# Altium PCB LimeSDR-Micro_1v0.PcbDoc (part 6 of 8) (continued)
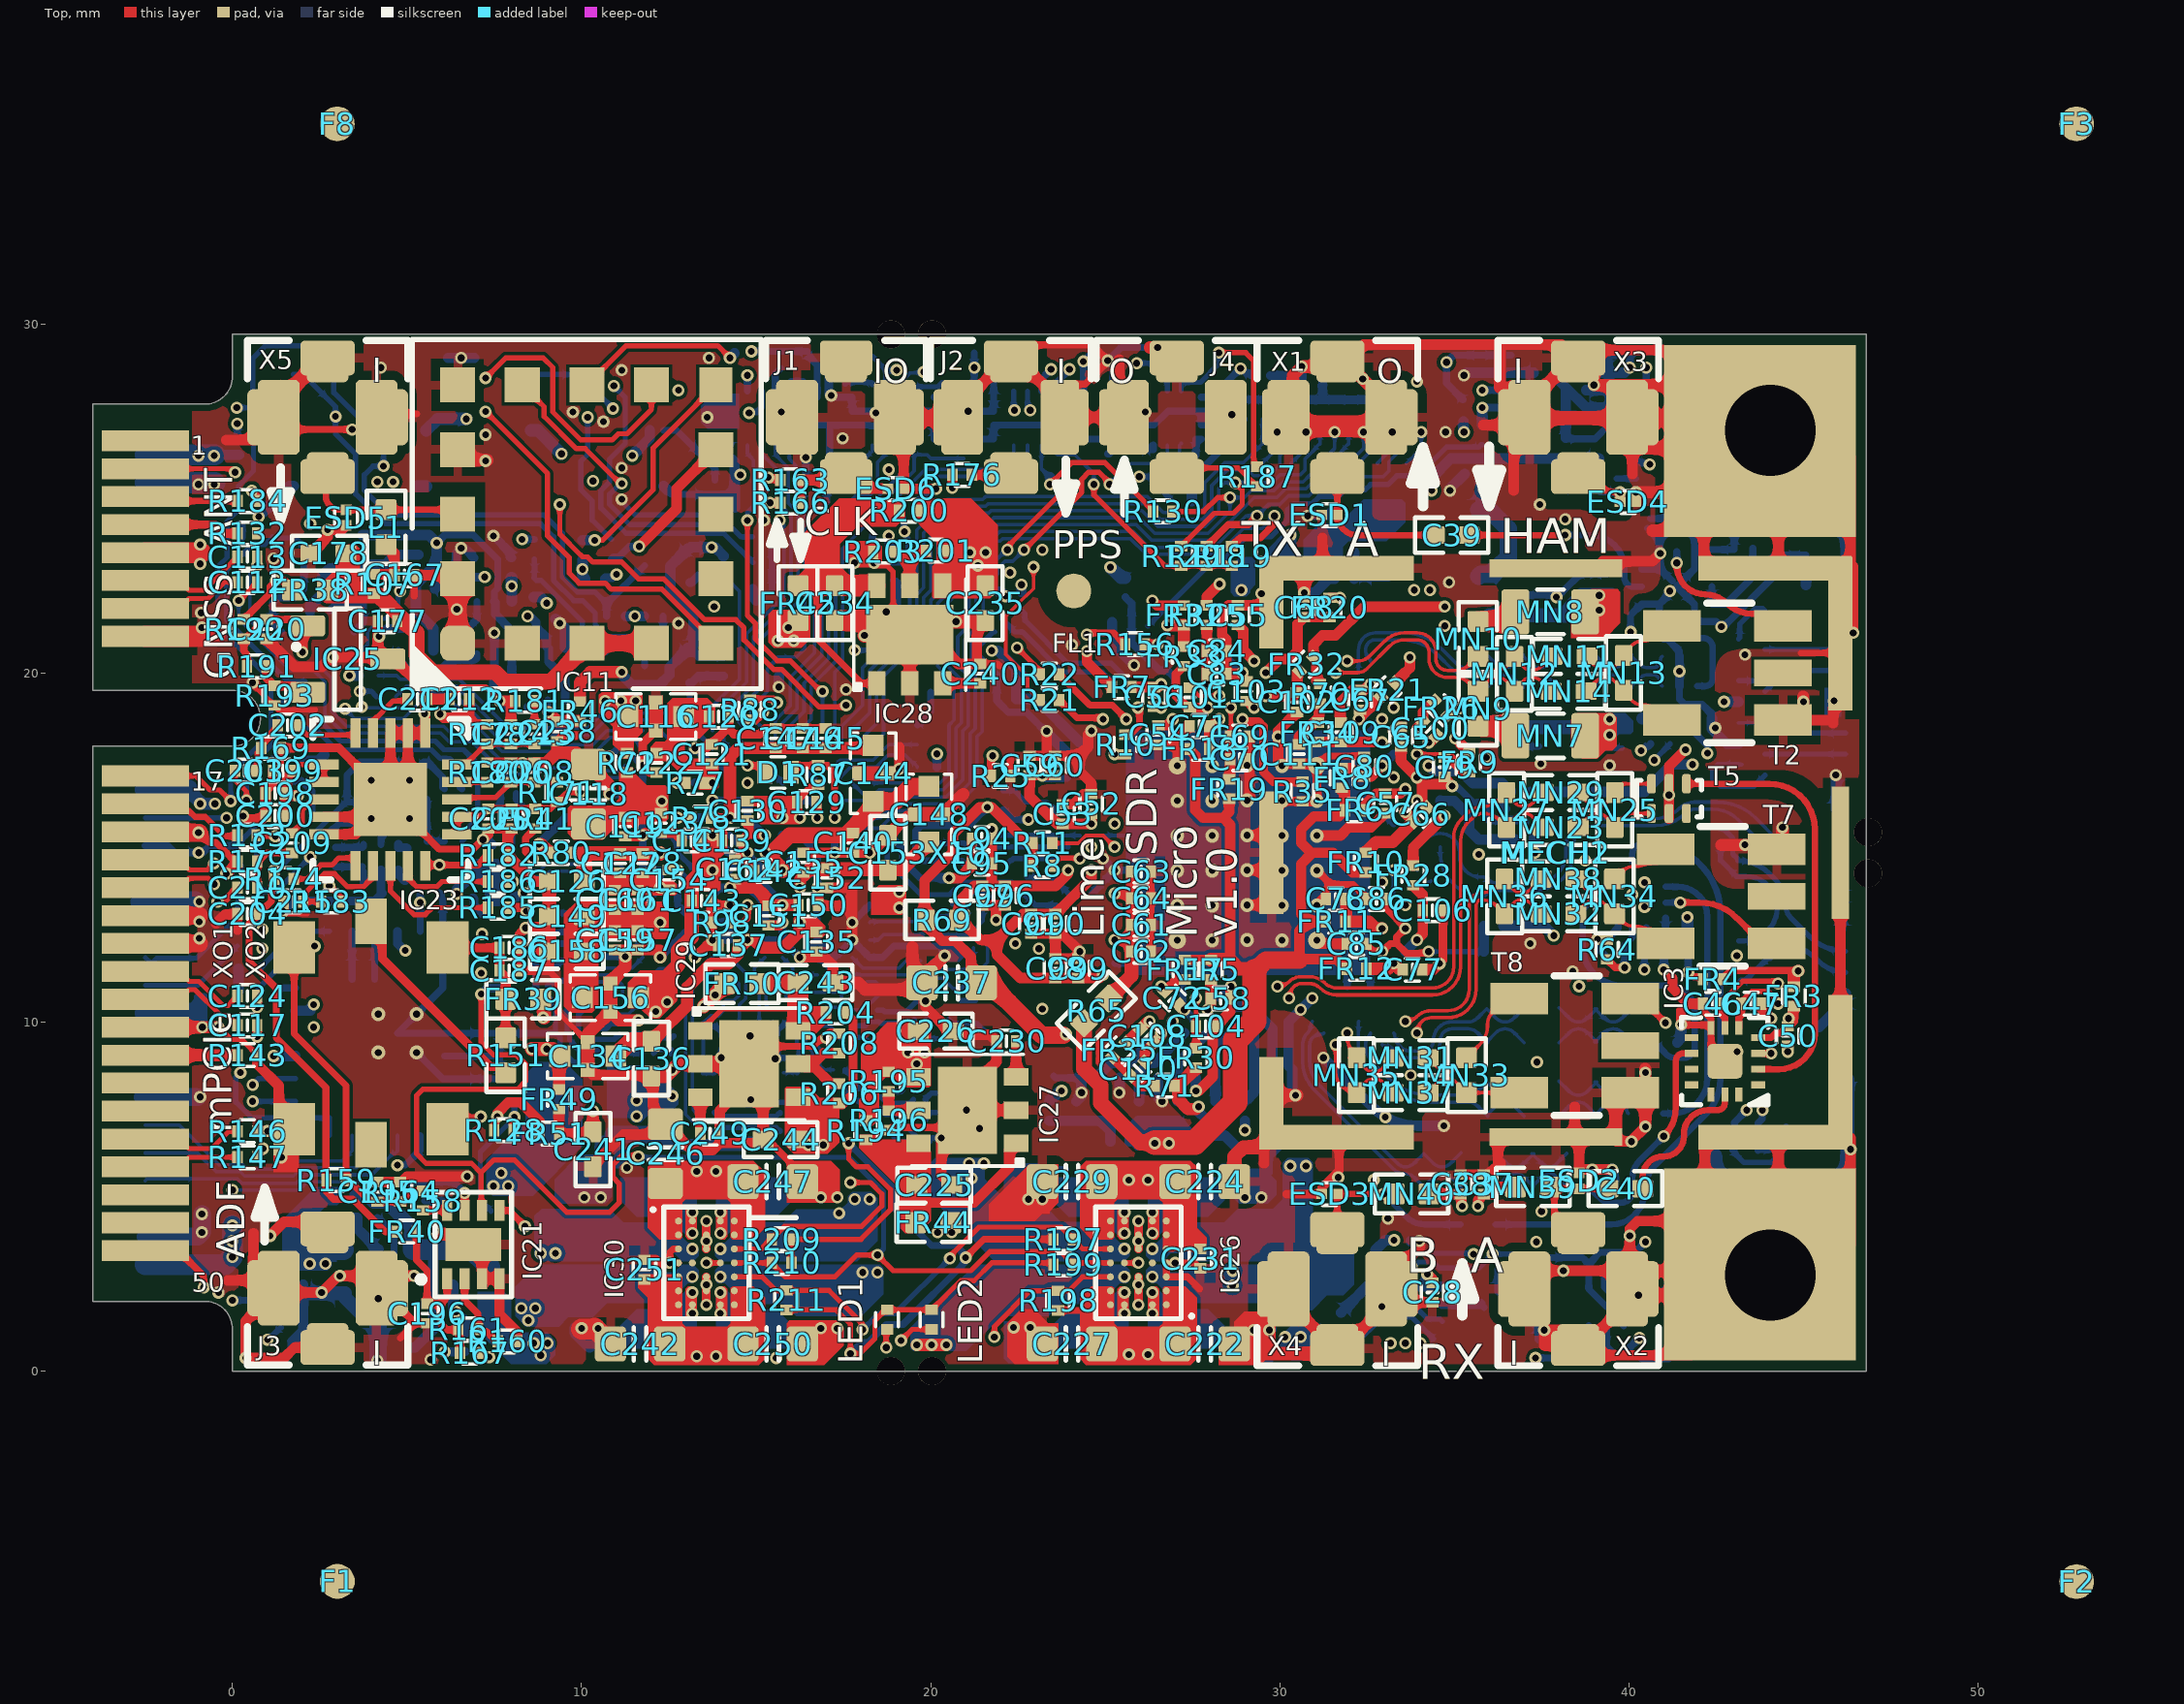
[diagram p0: Top view]
## Nets (pads, with @x,y where several pads share a name; then routed paths per layer and width w, separated by ;. In a path a pad name is that pad's centre, name@x,y a point inside that pad or via, vN(x,y) a via of type N, cw(c..) or ccw(c..) an arc to the next point about the centre after c; other vN are vias at no path point) (continued)
  Top w0.25: XO1.6@3.964,12.885 4.289,12.56 4.289,11.822 7.387,8.725 7.646,8.725 R151.1@7.823,8.548
NetR176_1: R176.1 R177.1 | length 8.4
  Top w0.25: v1(20.62,25.305) R176.1@20.62,25.675 R176.1@20.635,25.66
  L6 w0.1: v2(15,22.075) 15.4,22.475 18.825,22.475 20.62,24.27 v1(20.62,25.305) v1@20.62,25.405
  Bottom w0.3: R177.1@14.9,22.4 14.9,22.189 15,22.089 v2(15,22.075)
PCIE_PER0_N: C115.1 X10.23 | length 10.4
  Top w0.14: X10.23@-2.5,14.65 -2.325,14.475 -1.35,14.475 -1.231,14.355 -0.72,14.355 v1(-0.525,14.55)
  L4 w0.1: v1(-0.525,14.55) -0.525,15.2 -0.375,15.35 0.511,15.35 1.008,15.847 1.706,15.847 2.225,16.365 2.225,17.308 2.7,17.783 2.7,19.275 v1(3.35,19.925)
  Bottom w0.3: v1(3.35,19.925) C115.1@3.62,19.925
PCIE_PER0_P: C114.1 X10.25 | length 10.9
  Top w0.14: X10.25@-2.5,13.85 -2.325,14.025 -1.35,14.025 -1.26,14.115 -0.69,14.115 v1(-0.525,13.95)
  L4 w0.1: v1(-0.525,13.95) -0.5,13.925 -0.04,13.925 0.275,14.24 0.275,14.831 1.091,15.647 1.814,15.647 2.425,16.258 2.425,17.225 2.9,17.7 2.9,18.84 2.9,19.11 3.265,19.475 v1(3.65,19.475)
  Bottom w0.15: v1(3.65,19.475) 3.97,19.475 C114.1@4.12,19.325
PCIE_PERST#: R89.1 R134.1 R202.1 X10.22 | length 19.3
  L6 w0.1: v1(-0.97,14.85) -0.97,13.955 -1.475,13.45 -1.475,3.501 -1.106,3.132 -0.782,3.132 0,2.35 v1(0,2.026)
  Bottom w0.15: R134.1@0.157,15.112 0.87,15.825 R89.1@0.99,15.825
  Bottom w0.2: X10.22@-2.5,15.05 -1.845,15.05 -1.645,14.85 v1(-0.97,14.85) -0.845,14.85 -0.645,15.05 0.119,15.05 R134.1@0.169,15.1 ; v1(0,2.026) 1.179,2.026 R202.1@1.4,1.805
PCIE_PET0_N: C124.1 X10.31 | length 3.2
  Top w0.14: X10.31@-2.5,11.45 -2.325,11.275 -1.35,11.275 -1.245,11.17 -0.97,11.17 -0.275,10.475 -0.127,10.475 C124.1@0.145,10.747
PCIE_PET0_P: C117.1 X10.33 | length 3.2
  Top w0.14: X10.33@-2.5,10.65 -2.325,10.825 -1.35,10.825 -1.245,10.93 -1.08,10.93 -0.345,10.195 -0.147,10.195 C117.1@0.145,9.903
PCIE_PPS_IN: R170.1 X10.3 | length 23.4
  Top w0.14: X10.3@-2.5,25.85 -0.025,25.85 v1(0.075,25.75)
  L4 w0.1: v1(0.075,25.75) 2.45,28.125 9.675,28.125 9.775,28.225 v1(10.925,28.225)
  Bottom w0.15: v1(10.925,28.225) 11.25,27.9 11.25,26.575 10.8,26.125 10.8,25.475 10.55,25.225 10.55,24.725 11.275,24 14.075,24 R170.1@14.913,23.163
PCIE_PPS_OUT: R184.1 X10.5 | length 2.7
  Top w0.18: X10.5@-2.5,25.05 -2.375,24.925 R184.1@0.145,24.925
PCIE_REF_CLK_N: C113.1 X10.11 | length 3.2
  Top w0.14: X10.11@-2.5,22.65 -2.325,22.475 -1.35,22.475 -1.245,22.37 -0.81,22.37 0.04,23.22 0.065,23.22 0.145,23.3 C113.1@0.145,23.325
PCIE_REF_CLK_P: C112.1 X10.13 | length 3
  Top w0.14: X10.13@-2.5,21.85 -2.325,22.025 -1.35,22.025 -1.245,22.13 -0.695,22.13 -0.225,22.6 C112.1@0.145,22.6
PCIE_RESERVED: IC15.4 R147.1 | length 9.8
  Top w0.14: R147.1@0.705,6.128 0.875,6.298 v1(0.875,6.375)
  L4 w0.1: v1(0.875,6.375) 1.175,6.375 1.525,6.725 1.525,10.792 2.058,11.325 3.033,11.325 3.758,12.05 v1(4.95,12.05)
  Bottom w0.25: IC15.4@4.725,12.6 4.725,12.25 v1@4.925,12.05
PCIE_RX1_N: X10.47
PCIE_RX1_P: X10.49
PCIE_TX1_N: X10.39
PCIE_TX1_P: X10.41
PCIE_W_DISABLE2#: IC8.9 R150.1 X10.51 | length 51.8
  Top w0.2: X10.51@-2.5,3.45 -1.55,3.45 -0.825,2.725 v1(-0.825,2.4)
  L4 w0.1: v1(-0.825,2.4) -2.675,4.25 -2.675,16.758 -1.758,17.675 0.5,17.675 1.146,18.321 1.146,19.629 0.675,20.1 -1.308,20.1 -2.175,20.967 -2.175,25.975 -1.008,27.142 v1(0.134,27.142) 2.068,29.075 5.975,29.075 6.35,28.7 6.8,28.7 7.1,29 12.9,29 13.575,28.325 14.55,28.325 v1(14.75,28.525)
  Bottom w0.2: v1@0.134,27.167 v1(0.134,27.142) 0.134,26.858 R150.1@0.183,26.81 ; IC8.9@14.75,28.075 v1@14.75,28.55
PCIE_W_DISABLE2#_LS: IC8.4 R73.1 | length 1.3
  Bottom w0.1: IC8.4@14.75,26.525 14.75,26.275 14.925,26.1 R73.1@14.925,25.33
R1_N: C124.2 IC6.R2 | length 19.7
  Top w0.25: v1(0.705,10.422) C124.2@0.705,10.747
  L4 w0.1: v1(0.705,10.422) 0.325,10.802 0.325,13.367 0.85,13.892 0.85,14.465 1.06,14.675 1.408,14.675 2.825,16.092 2.825,16.975 3.7,17.85 v1(3.7,19.025)
  Bottom w0.1: v1@3.7,19 4.9,19 5.325,19.425 6.324,19.425 7.799,17.95 10.325,17.95 10.725,18.35 IC6.R2@11.751,18.35
R1_P: C117.2 IC6.P2 | length 21.2
  Top w0.25: v1(0.705,9.578) C117.2@0.705,9.903
  L4 w0.1: v1(0.705,9.578) 0.125,10.158 0.125,13.45 0.65,13.975 0.65,14.547 0.978,14.875 1.325,14.875 2.625,16.175 2.625,17.058 3.225,17.658 v1(3.225,18.975)
  Bottom w0.1: v1(3.225,18.975) 3.5,18.7 4.9,18.7 5.425,19.225 6.241,19.225 7.716,17.75 10.408,17.75 10.808,18.15 11.451,18.15 IC6.P2@11.751,17.85
RX1_H: IC3.2 T5.1 | length 12.5
  Top w0.18: T5.1@41.65,16.825 44.025,16.825 cw(c44.025,15.525) 45.325,15.525 45.325,9.668 cw(c44.307,9.668) 44.307,8.65 IC3.2@43.702,8.65
RX1_H_A_N: IC1.AJ15 MN27.1 MN29.2 | length 12.8
  Top w0.1: v1(29.932,11.016) cw(c30.015,10.934) 30.015,11.05 ccw(c30.015,11.396) 30.26,11.151 cw(c30.618,10.793) 30.618,11.3 30.849,11.3 cw(c30.849,10.676) 31.291,11.117 ; 31.291,11.116 ccw(c31.633,11.458) 31.633,10.975 34.375,10.975 ccw(c34.375,11.581) 34.981,11.581 34.981,15.28 cw(c35.728,15.28) 35.2,15.808 35.38,15.988 ; 35.436,16.044 35.38,15.988 ; 35.834,16.175 ccw(c35.834,15.531) 35.38,15.988 ; 35.835,16.175 ccw(c35.835,16.81) 36.284,16.361 MN27.1@36.473,16.55 ; MN27.1@36.498,16.575 MN27.1@36.473,16.55 ; MN29.2@37.548,16.575 37.255,16.282 cw(c36.997,16.54) 36.998,16.175 cw(c36.999,16.54) 36.741,16.282 MN27.1@36.473,16.55
RX1_H_A_P: IC1.AK14 MN23.2 MN27.2 | length 12.6
  Top w0.1: v1(30.265,10.683) ccw(c30.183,10.765) 30.3,10.765 30.3,10.773 cw(c30.626,10.773) 30.395,11.004 cw(c30.626,10.773) 30.626,11.1 30.848,11.1 cw(c30.848,10.673) 31.151,10.974 ccw(c31.632,11.456) 31.632,10.775 34.375,10.775 ccw(c34.375,11.581) 35.181,11.581 35.181,15.197 cw(c35.928,15.197) 35.4,15.725 35.519,15.844 cw(c35.835,15.528) 35.835,15.975 cw(c35.835,15.34) 36.284,15.789 MN27.2@36.473,15.6 ; MN27.2@36.498,15.575 MN27.2@36.473,15.6 ; MN23.2@37.548,15.575 37.255,15.868 ccw(c36.997,15.61) 36.998,15.975 ccw(c36.999,15.61) 36.741,15.868 MN27.2@36.473,15.6
RX1_H_B_N: MN25.1 MN29.1 T5.3 | length 2.6
  Top w0.1: MN29.1@38.548,16.575 38.841,16.282 ccw(c39.099,16.54) 39.099,16.175 ; 39.097,16.175 ccw(c39.097,16.54) 39.355,16.282 MN25.1@39.623,16.55 ; MN25.1@39.598,16.575 cw(c39.848,16.575) 39.848,16.825 T5.3@40.65,16.825
RX1_H_B_P: MN23.1 MN25.2 T5.4 | length 2.5
  Top w0.1: MN23.1@38.548,15.575 38.841,15.868 cw(c39.099,15.61) 39.098,15.975 cw(c39.097,15.61) 39.355,15.868 MN25.2@39.601,15.622 ; MN25.2@39.598,15.575 cw(c39.998,15.575) MN25.2@39.601,15.622 ; MN25.2@39.623,15.6 MN25.2@39.601,15.622 ; MN25.2@39.726,15.622 cw(c40.123,15.575) 40.123,15.975 T5.4@40.65,15.975
RX1_L: IC3.9 T3.2 | length 6.3
  Top w0.18: v1(41,6.725) ccw(c40.155,7.57) 41.35,7.57 41.35,8.9 cw(c41.55,8.9) 41.55,9.1 IC3.9@41.797,9.1
  Bottom w0.18: T3.2@38.875,5.26 39.211,4.924 ccw(c39.45,5.163) 39.45,4.825 39.775,4.825 ccw(c39.775,5.15) 40.1,5.15 40.1,5.513 cw(c40.854,5.513) 40.321,6.046 v1(41,6.725)
RX1_L_A_N: IC1.AM12 MN19.1 MN21.2 | length 7.7
  Bottom w0.1: IC1.AM12@30.932,10.017 ccw(c31.014,9.935) 30.897,9.935 cw(c30.551,9.935) 30.796,9.69 ccw(c31.137,9.349) 30.655,9.349 30.655,8.868 ccw(c31.817,8.868) 30.995,8.047 ; 31.021,8.021 33.101,5.941 33.243,5.8 ccw(c33.595,6.152) 33.595,5.653 33.596,5.653 cw(c33.596,5.289) 33.854,5.547 MN19.1@34.122,5.279 ; MN19.1@34.147,5.253 MN19.1@34.122,5.279 ; MN21.2@35.197,5.253 34.904,5.547 ccw(c34.647,5.289) 34.647,5.653 ccw(c34.648,5.289) 34.391,5.547 MN19.1@34.122,5.279
RX1_L_A_P: IC1.AN11 MN16.2 MN19.2 | length 7.3
  Bottom w0.1: IC1.AN11@31.265,9.684 cw(c31.182,9.766) 31.182,9.65 31.172,9.65 ccw(c31.172,9.328) 30.944,9.556 ccw(c31.16,9.34) 30.855,9.34 30.855,8.905 ccw(c31.905,8.905) 31.162,8.163 31.221,8.104 33.301,6.024 33.383,5.942 ccw(c33.596,6.155) 33.596,5.854 ccw(c33.596,6.218) 33.854,5.96 34.122,6.228 34.391,5.96 ccw(c34.648,6.218) 34.647,5.854 ccw(c34.647,6.218) 34.904,5.96 MN16.2@35.197,6.253
RX1_L_B_N: MN17.1 MN21.1 T3.3 | length 2.7
  Bottom w0.1: MN21.1@36.197,5.253 36.491,5.547 cw(c36.748,5.289) 36.748,5.653 ; 36.747,5.653 cw(c36.747,5.289) 37.004,5.547 MN17.1@37.272,5.279 ; MN17.1@37.223,5.279 37.491,5.547 cw(c37.748,5.289) 37.748,5.653 cw(c37.748,5.436) 37.902,5.59 T3.3@38.225,5.267
RX1_L_B_P: MN16.1 MN17.2 T3.4 | length 2.7
  Bottom w0.1: MN16.1@36.197,6.253 36.491,5.96 ccw(c36.748,6.218) 36.747,5.854 ccw(c36.747,6.218) 37.004,5.96 MN17.2@37.272,6.228 ; MN17.2@37.223,6.228 37.247,6.204 37.491,5.96 ccw(c37.748,6.218) 37.748,5.854 ccw(c37.748,6.071) 37.902,5.917 T3.4@38.225,6.24
RX1_W: IC3.3 T8.1 | length 5
  Top w0.18: T8.1@40.04,10.67 T8.1@40.305,10.67 ; T8.1@40.33,10.695 v1(41.05,9.975) ; IC3.3@43.702,9.1 v1(44.075,9.1)
  L6 w0.1: v1@41.025,9.95 ccw(c41.085,9.95) 41.043,9.907 41.25,9.7 ccw(c41.612,10.062) 41.612,9.55 43.039,9.55 cw(c43.039,9.1) 43.357,9.418 43.392,9.383 ccw(c44.075,10.066) v1(44.075,9.1)
RX1_W_A_N: IC1.AP10 MN35.1 MN37.2 | length 3
  Top w0.1: v1(31.598,9.351) 31.598,8.577 ccw(c32.175,8.577) 32.175,8 32.443,8.268 cw(c32.701,8.01) 32.701,8.375 ; 32.699,8.375 cw(c32.699,8.01) 32.957,8.268 MN37.2@33.25,7.975
RX1_W_A_P: IC1.AN9 MN31.2 MN35.2 | length 2.4
  Top w0.1: v1(31.931,9.684) 31.931,9.626 ccw(c32.851,9.626) MN35.2@32.2,8.975 MN35.2@31.995,8.975 ; MN35.2@32.175,8.95 32.443,8.682 ccw(c32.701,8.94) 32.701,8.575 ; 32.699,8.575 ccw(c32.699,8.94) 32.957,8.682 MN31.2@33.25,8.975
RX1_W_B_N: MN33.1 MN37.1 T8.4 | length 2.9
  Top w0.1: MN37.1@34.25,7.975 34.543,8.268 cw(c34.801,8.01) 34.801,8.375 ; 34.799,8.375 cw(c34.799,8.01) 35.057,8.268 MN33.1@35.325,8 ; MN33.1@35.35,7.975 T8.4@36.86,7.975
RX1_W_B_P: MN31.1 MN33.2 T8.6 | length 3.8
  Top w0.1: MN31.1@34.25,8.975 34.543,8.682 ccw(c34.801,8.94) 34.801,8.575 ; 34.799,8.575 ccw(c34.799,8.94) 35.057,8.682 MN33.2@35.325,8.95 ; MN33.2@35.35,8.975 35.72,9.345 ccw(c35.165,9.9) 35.95,9.9 ; 35.95,9.934 cw(c36.411,9.934) 36.085,10.26 36.085,10.27 36.227,10.412 36.237,10.412 cw(c36.86,9.789) T8.6@36.86,10.67
RX2_H: IC4.2 T6.1 | length 8.2
  Bottom w0.18: T6.1@40.983,7.38 41.244,7.38 ccw(c41.244,8.386) 42.25,8.386 42.25,13.029 ccw(c41.404,13.029) 41.404,13.875 IC4.2@41.053,13.875
RX2_H_A_N: IC1.AM8 MN28.1 MN30.2 | length 6.7
  Bottom w0.1: IC1.AM8@32.264,10.017 32.256,10.009 32.256,9.343 ccw(c33.175,9.343) 32.525,8.692 32.961,8.256 ccw(c34.293,9.589) 34.293,7.705 35.07,7.705 35.401,7.705 cw(c35.401,7.34) 35.659,7.598 MN28.1@35.927,7.33 ; MN28.1@35.952,7.305 MN28.1@35.927,7.33 ; MN30.2@37.002,7.305 36.709,7.598 ccw(c36.451,7.34) 36.452,7.704 ccw(c36.453,7.34) 36.196,7.598 MN28.1@35.927,7.33
RX2_H_A_P: IC1.AN7 MN24.2 MN28.2 | length 6
  Bottom w0.1: IC1.AN7@32.597,9.684 cw(c32.494,9.684) 32.566,9.611 ccw(c32.834,9.344) 32.456,9.344 ccw(c33.178,9.344) 32.667,8.833 33.1,8.4 ccw(c34.296,9.596) 34.296,7.905 35.07,7.905 ; 35.073,7.905 35.401,7.905 ccw(c35.401,8.269) 35.659,8.011 35.927,8.28 36.196,8.011 ccw(c36.453,8.269) 36.452,7.905 ccw(c36.451,8.269) 36.709,8.011 MN24.2@37.002,8.305
RX2_H_B_N: MN26.1 MN30.1 T6.3 | length 2.7
  Bottom w0.1: MN30.1@38.002,7.305 38.296,7.598 cw(c38.553,7.34) 38.553,7.705 ; 38.551,7.705 cw(c38.551,7.34) 38.809,7.598 MN26.1@39.052,7.355 ; MN26.1@39.027,7.33 MN26.1@39.052,7.355 ; MN26.1@39.077,7.33 MN26.1@39.052,7.355 ; T6.3@39.983,7.38 cw(c40.103,7.5) 39.933,7.5 ccw(c39.728,7.5) 39.728,7.705 39.553,7.705 ccw(c39.553,7.34) 39.296,7.598 MN26.1@39.052,7.355
RX2_H_B_P: MN24.1 MN26.2 T6.4 | length 2.7
  Bottom w0.1: MN24.1@38.002,8.305 38.296,8.011 ccw(c38.553,8.269) 38.553,7.905 ; 38.551,7.905 ccw(c38.551,8.269) 38.809,8.011 MN26.2@39.077,8.28 ; MN26.2@39.027,8.28 39.296,8.011 ccw(c39.553,8.269) 39.553,7.905 39.728,7.905 ccw(c39.728,8.109) 39.933,8.109 cw(c40.103,8.109) T6.4@39.983,8.23
RX2_L: IC4.9 T4.2 | length 8.4
  Bottom w0.18: IC4.9@39.148,13.425 39,13.425 ccw(c39,13.1) 38.778,13.337 ccw(c39,13.1) 38.675,13.1 38.675,12.175 ccw(c39.8,12.175) 39.8,11.05 41.129,11.05 cw(c41.129,10.295) 41.885,10.295 41.885,9.28 cw(c41.585,9.28) 41.585,8.98 41.31,8.98 cw(c41.31,9.317) 41.071,9.079 T4.2@40.735,9.415
RX2_L_A_N: IC1.AP6 MN20.1 MN22.2 | length 5.1
  Bottom w0.1: IC1.AP6@32.93,9.351 ccw(c33.012,9.433) 33.012,9.317 cw(c33.012,8.971) 33.256,9.216 ; 33.257,9.216 33.336,9.136 ccw(c33.724,9.524) 33.724,8.975 34.1,8.975 ccw(c34.1,9.475) 34.6,9.475 cw(c34.93,9.475) 34.93,9.805 35.401,9.805 cw(c35.401,9.44) 35.659,9.698 MN20.1@35.927,9.43 ; MN20.1@35.952,9.405 MN20.1@35.927,9.43 ; MN22.2@37.002,9.405 36.709,9.698 ccw(c36.451,9.44) 36.452,9.805 ccw(c36.453,9.44) 36.196,9.698 MN20.1@35.927,9.43
RX2_L_A_P: IC1.AN5 MN15.2 MN20.2 | length 4.9
  Bottom w0.1: IC1.AN5@33.263,9.684 cw(c33.18,9.602) 33.297,9.602 ccw(c33.643,9.602) 33.398,9.357 33.477,9.277 ccw(c33.725,9.525) 33.725,9.175 34.1,9.175 ccw(c34.1,9.475) 34.4,9.475 cw(c34.93,9.475) 34.93,10.005 35.401,10.005 ccw(c35.401,10.369) 35.659,10.111 35.927,10.38 36.196,10.111 ccw(c36.453,10.369) 36.452,10.005 ccw(c36.451,10.369) 36.709,10.111 MN15.2@37.002,10.405
RX2_L_B_N: MN18.1 MN22.1 T4.3 | length 2.7
  Bottom w0.1: MN22.1@38.002,9.405 38.296,9.698 cw(c38.553,9.44) 38.552,9.805 cw(c38.552,9.44) 38.809,9.698 MN18.1@39.052,9.455 ; MN18.1@39.027,9.43 MN18.1@39.052,9.455 ; MN18.1@39.077,9.43 MN18.1@39.052,9.455 ; T4.3@40.085,9.415 39.794,9.705 ccw(c39.553,9.464) 39.553,9.805 ccw(c39.553,9.44) 39.296,9.698 MN18.1@39.052,9.455
RX2_L_B_P: MN15.1 MN18.2 T4.4 | length 2.7
  Bottom w0.1: MN15.1@38.002,10.405 38.296,10.111 ccw(c38.553,10.369) 38.552,10.005 ccw(c38.552,10.369) 38.809,10.111 MN18.2@39.052,10.354 ; MN18.2@39.027,10.38 MN18.2@39.052,10.354 ; MN18.2@39.077,10.38 MN18.2@39.052,10.354 ; T4.4@40.085,10.395 39.794,10.104 cw(c39.553,10.345) 39.553,10.005 cw(c39.553,10.369) 39.296,10.111 MN18.2@39.052,10.354
RX2_W: IC4.3 T7.3 | length 3.5
  Top w0.18: v1(41.475,13.425) 42.014,13.425 cw(c42.014,11.889) 43.1,12.975 43.553,12.522 ccw(c44.197,13.165) T7.3@44.197,12.255
  Bottom w0.18: IC4.3@41.053,13.425 v1(41.475,13.425)
RX2_W_A_N: IC1.AM4 MN36.1 MN38.2 | length 7.4
  Top w0.1: v1(33.596,10.017) cw(c33.678,9.935) 33.678,10.051 ccw(c33.678,10.397) 33.923,10.152 ; 33.923,10.153 cw(c34.338,9.738) 34.338,10.325 34.819,10.325 ccw(c34.819,10.931) 35.425,10.931 35.425,13.35 cw(c35.775,13.35) 35.775,13.7 ccw(c35.775,14.335) 36.224,13.886 MN36.1@36.413,14.075 ; MN36.1@36.438,14.1 MN36.1@36.413,14.075 ; MN38.2@37.488,14.1 37.195,13.807 cw(c36.937,14.065) 36.938,13.7 cw(c36.939,14.065) 36.681,13.807 MN36.1@36.413,14.075
RX2_W_A_P: IC1.AN3 MN32.2 MN36.2 | length 7.2
  Top w0.1: v1(33.929,9.684) ccw(c33.846,9.766) 33.963,9.766 cw(c34.309,9.766) 34.064,10.011 cw(c34.339,9.736) 34.339,10.125 34.819,10.125 ccw(c34.819,10.931) 35.625,10.931 35.625,13.35 cw(c35.775,13.35) 35.775,13.5 cw(c35.775,12.865) 36.224,13.314 MN36.2@36.413,13.125 ; MN36.2@36.438,13.1 MN36.2@36.413,13.125 ; MN32.2@37.488,13.1 37.195,13.393 ccw(c36.937,13.135) 36.938,13.5 ccw(c36.939,13.135) 36.681,13.393 MN36.2@36.413,13.125
RX2_W_B_N: MN34.1 MN38.1 T7.6 | length 3.1
  Top w0.1: MN38.1@38.488,14.1 38.781,13.807 ccw(c39.039,14.065) 39.039,13.7 ; 39.037,13.7 ccw(c39.037,14.065) 39.295,13.807 MN34.1@39.563,14.075 ; MN34.1@39.588,14.1 39.806,14.318 cw(c40.125,13.998) 40.125,14.45 ccw(c40.125,15.483) 40.856,14.753 T7.6@41.048,14.945
RX2_W_B_P: MN32.1 MN34.2 T7.4 | length 2.8
  Top w0.1: MN32.1@38.488,13.1 38.781,13.393 cw(c39.039,13.135) 39.039,13.5 ; 39.037,13.5 cw(c39.037,13.135) 39.295,13.393 MN34.2@39.563,13.125 ; MN34.2@39.806,12.882 ccw(c40.125,13.202) 40.125,12.75 cw(c40.125,11.717) 40.856,12.447 T7.4@41.048,12.255
RX_HAM: C44.1 ESD4.1 MN41.1 X3.1 | length 3.4
  Top w0.18: X3.1@38.55,25.725 38.64,25.635 ccw(c39.75,26.744) v1(39.75,25.175)
  Top w0.3: ESD4.1@39.75,24.9 v1(39.75,25.175)
  Bottom w0.18: C44.1@37.95,25.275 39.075,25.275 MN41.1@39.175,25.175 ; MN41.1@39.225,25.175 v1(39.75,25.175)
RX_SW2: IC15.25 R60.2 | length 75.8
  L4 w0.1: v1(2.325,9.85) 2.775,10.3 3.683,10.3 4.133,10.75 5.417,10.75 6.317,9.85 7.658,9.85 8.325,10.517 8.325,11.375 8.825,11.875 8.825,13.775 8.1,14.5 8.1,15.758 6.65,17.208 6.65,19.975 4.475,22.15 4.475,23.775 5.325,24.625 8.567,24.625 8.892,24.3 9.975,24.3 10.125,24.45 11.367,24.45 13.067,26.15 15.55,26.15 16,25.7 16,23.775 15.1,22.875 15.1,20.75 15.375,20.475 16.286,20.475 18.7,22.889 18.7,23.5 18.45,23.75 18.45,24.425 19.975,25.95 26.775,25.95 28.15,24.575 28.81,24.575 29.085,24.85 31.575,24.85 31.8,24.625 35.7,24.625 37.325,23 39.225,23 39.6,22.625 39.6,21.125 40.35,20.375 v1(40.35,17.775)
  Bottom w0.2: v1(40.35,17.775) 40.391,17.775 40.516,17.9 40.57,17.9 40.62,17.95 R60.2@40.62,17.975
RX_SW2_DIV: C46.1 C48.1 IC3.6 IC4.6 R60.1 R64.1 | length 23
  Top w0.15: C46.1@42.68,10.525 42.73,10.575 42.73,10.643 43.262,11.175 v1@44.2,11.175
  Top w0.2: R64.1@39.375,11.795 39.4,11.795 39.45,11.745 39.45,11.72 39.608,11.562 39.877,11.562 v1(39.879,11.56) ; C46.1@42.68,10.525 42.68,10.195 42.75,10.125 IC3.6@42.75,9.827
  L4 w0.1: v1(39.879,11.56) 40.543,12.225 42.125,12.225 43.25,11.1 v1(44.275,11.1) 44.275,14.95 43,16.225 43,16.659 43.275,16.934 43.275,19.367 42.942,19.7 42.508,19.7 41.2,18.392 41.2,17.97 v1(40.73,17.5)
  Bottom w0.15: v1(40.73,17.5) 40.73,17.525 40.743,17.525 41.18,17.963 R60.1@41.18,17.975
  Bottom w0.2: v1(39.879,11.56) C48.1@39.879,11.91 39.879,12.204 40.1,12.425 IC4.6@40.1,12.697
RX_SW3: IC15.27 R61.2 | length 62.7
  L6 w0.1: v2(1.225,10.875) 1.475,11.125 1.475,12.425 2,12.95 2,13.874 2.8,14.674 2.8,15.21 3.12,15.53 3.704,15.53 3.909,15.325 5.11,15.325 5.325,15.11 5.325,14.84 5.135,14.65 4.865,14.65 4.015,14.65 3.425,14.06 3.425,13.683 4.708,12.4 5.06,12.4 5.375,12.085 5.375,11.575 8.275,8.675 11.1,8.675 12.5,10.075 13.625,10.075 14.375,10.825 16.684,10.825 17.884,12.025 ; 17.886,12.025 18.076,12.215 ; 18.076,12.217 18.584,12.725 19.109,12.725 19.475,13.091 19.475,16.441 20.6,17.566 20.6,18.25 22.875,20.525 22.875,21.21 25.315,23.65 25.709,23.65 25.859,23.5 29.55,23.5 29.825,23.225 30.65,23.225 31.075,23.65 35.4,23.65 37.35,21.7 37.35,20.875 38.975,19.25 39.84,19.25 v2(40.39,18.7)
  Bottom w0.2: v2(1.225,10.875) 1.325,10.975 IC15.27@1.8,10.975
  Bottom w0.35: v2(40.39,18.7) R61.2@40.59,18.7
RX_SW3_DIV: C47.1 C49.1 IC3.5 IC4.5 R61.1 R63.1 | length 23.7
  Top w0.15: C47.1@43.22,10.573 43.522,10.875 44.002,10.875 44.275,10.602 v1@44.275,10.55
  Top w0.2: IC3.5@43.15,9.827 43.15,10.125 43.22,10.195 C47.1@43.22,10.525 C47.1@43.22,10.573
  L4 w0.1: v1(42.25,17.7) 42.25,18.19 42.15,18.29 42.15,19.06 42.59,19.5 42.86,19.5 43.075,19.285 43.075,17.017 42.8,16.742 42.8,15.138 42.429,14.766 42.429,13.154 41.7,12.425 40.284,12.425 39.55,11.691 39.55,11.4 39.715,11.235 40.18,11.235 v1(40.445,11.5) 40.97,12.025 42.025,12.025 43.175,10.875 43.925,10.875 v1(44.275,10.525)
  Bottom w0.2: v1(40.445,11.5) C49.1@40.445,11.85 40.5,11.905 IC4.5@40.5,12.697 ; R61.1@41.175,18.7 R63.1@41.815,18.7 41.815,18.36 42.25,17.925 v1(42.25,17.7)
RXA: C40.1 ESD2.1 MN39.1 X2.1 | length 3.9
  Top w0.18: MN39.1@37.75,5.225 MN39.1@37.8,5.225 ; MN39.1@37.75,5.275 MN39.1@37.8,5.225 ; X2.1@38.25,4.35 X2.1@38.55,4.05 ; X2.1@38.55,3.95 38.25,3.95 37.865,4.335 37.865,5.16 MN39.1@37.8,5.225 ; C40.1@39.35,5.075 39.2,5.225 MN39.1@37.8,5.225
RXB: C41.1 ESD3.1 MN40.1 X4.1 | length 5.2
  Top w0.18: X4.1@31.65,4.05 ESD3.1@31.65,5.075 v1(32.975,5.075) MN40.1@33.275,5.075
  Bottom w0.18: v1(32.975,5.075) 33.637,4.413 ccw(c34.152,4.929) 34.152,4.2 C41.1@35.177,4.2
SMB_CLK: IC22.4 R136.2 | length 31.5
  L3 w0.1: v1(0.855,12.65) 0.35,13.155 0.35,15.433 1.05,16.133 1.05,17.208 1.525,17.683 1.525,19.792 1.175,20.142 1.175,21.483 4.467,24.775 8.625,24.775 8.9,24.5 9.51,24.5 9.635,24.625 11.492,24.625 13.342,26.475 15.633,26.475 16.783,25.325 17.4,25.325 v1(18.8,23.925)
  Bottom w0.2: R136.2@0.73,13.1 0.78,13.05 0.78,12.766 0.855,12.691 v1(0.855,12.65)
  Bottom w0.25: v1(18.8,23.925) 18.8,23.65 IC22.4@18.912,23.65
SMB_CLK_CTRL: IC15.23 IC22.6 | length 41.6
  L3 w0.1: v1(0.575,8.2) 0.575,8.95 1.275,9.65 1.275,12.75 0.55,13.475 0.55,15.35 1.25,16.05 1.25,17.125 1.725,17.6 1.725,19.875 1.375,20.225 1.375,21.4 4.55,24.575 6.575,24.575 8.542,24.575 8.817,24.3 9.592,24.3 9.717,24.425 10.425,24.425 11.575,24.425 13.425,26.275 15.55,26.275 16.4,25.425 16.4,23.9 17.55,22.75 17.55,20.925 v1(17.825,20.65)
  Bottom w0.15: v1(0.575,8.2) 0.75,8.375 IC15.23@1.8,8.375 ; v1@17.75,20.65 v1(17.825,20.65) 18.17,20.65 19.075,21.555 19.075,22.6 19.025,22.65 IC22.6@18.912,22.65
T0_N: C115.2 IC6.R4 | length 9.8
  Bottom w0.1: C115.2@4.18,19.925 4.7,19.925 4.8,19.825 6.489,19.825 7.889,18.425 10.175,18.425 10.6,18.85 12.6,18.85 12.751,18.699 IC6.R4@12.751,18.35
T0_P: C114.2 IC6.P4 | length 9.3
  Bottom w0.1: C114.2@4.68,19.325 4.98,19.625 6.406,19.625 7.806,18.225 10.1,18.225 10.258,18.225 10.683,18.65 11.951,18.65 IC6.P4@12.751,17.85
TDD0_GPIO: IC13.12 X10.17 | length 42.4
  Top w0.14: X10.17@-2.5,17.25 -2.3,17.05 -1.05,17.05 -0.65,16.65 -0.37,16.65 v1(-0.05,16.33)
  L4 w0.1: v1(0.125,27.6) 1.875,29.35 6.65,29.35 6.725,29.35 6.875,29.2 12.983,29.2 13.633,28.55 14.3,28.55 14.625,28.875 16.4,28.875 16.6,29.075 17.925,29.075 18.125,28.875 18.7,28.875 18.825,29 20.717,29 20.992,29.275 21.508,29.275 21.758,29.025 23.65,29.025 v1(23.975,28.7)
  Bottom w0.14: v1(-0.05,16.33) -0.05,17.125 1.1,18.275 1.1,19.8 -0.42,21.32 -0.42,23.046 -0.362,23.105 -0.357,23.105 -0.155,23.307 -0.155,24.345 0.175,24.675 0.175,25.362 0.6,25.787 0.6,27.425 0.425,27.6 v1(0.125,27.6)
  Bottom w0.2: IC13.12@23.575,28.075 23.575,28.3 23.6,28.325 23.605,28.325 v1@23.978,28.697
TDD0_GPIO_LS: IC13.1 R118.2 R119.2 R129.2 | length 7
  Top w0.15: v1(24.675,25.4) 24.675,25.1 26.705,23.07 R129.2@27.175,23.07 R118.2@27.9,23.07 R119.2@28.625,23.07
  Bottom w0.1: IC13.1@23.575,26.575 23.575,26.3 23.625,26.25 24.125,26.25 24.675,25.7 v1(24.675,25.4)
TDD1_GPIO: IC13.11 X10.20 | length 43.2
  L4 w0.1: v1(-0.168,15.85) 0.107,15.575 0.435,15.575 1.2,16.34 1.2,16.65 2.45,17.9 2.45,20.61 1.585,21.475 -0.25,21.475 -0.5,21.725 -0.5,22.905 0.075,23.48 0.075,25.29 2.71,27.925 8.825,27.925 9.9,26.85 10.735,26.85 11.185,27.3 12.833,27.3 13.075,27.542 13.458,27.925 15.025,27.925 15.575,28.475 16.566,28.475 16.766,28.675 17.759,28.675 17.959,28.475 18.042,28.475 18.724,28.475 18.899,28.3 20.3,28.3 21.075,29.075 21.425,29.075 21.8,28.7 v1(23.45,28.7)
  Bottom w0.14: X10.20@-2.5,15.85 v1(-0.168,15.85)
  Bottom w0.2: IC13.11@23.175,28.075 23.175,28.425 v1(23.45,28.7)
TDD1_GPIO_LS: IC13.2 R130.2 R131.2 | length 5
  Top w0.15: v1(23.415,25.4) 24.04,26.025 24.995,26.025 26.295,24.725 26.37,24.65 R130.2@26.37,24.625
  Bottom w0.1: IC13.2@23.175,26.525 23.175,25.845 R131.2@23.42,25.6
  Bottom w0.3: R131.2@23.42,25.43 R131.2@23.42,25.6
TX1_1: IC5.11 T1.1 | length 3
  Bottom w0.18: IC5.11@41.375,21.475 41.375,21.275 ccw(c41.65,21.275) 41.65,21 42.125,21 cw(c42.125,20.725) 42.4,20.725 42.4,19.837 cw(c42.188,19.837) 42.188,19.625 T1.1@41.951,19.625
TX1_1_A_N: IC1.A7 MN1.1 MN5.1 MN6.2 | length 7.2
  Bottom w0.1: IC1.A7@32.597,20.34 ccw(c32.494,20.34) 32.566,20.413 32.546,20.433 cw(c32.766,20.652) 32.456,20.652 cw(c32.766,20.652) 32.546,20.871 cw(c32.736,20.681) 32.736,20.95 33.448,20.95 cw(c33.448,19.395) 34.548,20.494 34.912,20.13 ccw(c35.347,20.565) 35.347,19.95 35.349,19.95 cw(c35.349,19.585) 35.607,19.843 MN1.1@35.9,19.55 36.193,19.843 cw(c36.451,19.585) 36.45,19.95 cw(c36.449,19.585) 36.707,19.843 MN5.1@36.95,19.6 ; MN5.1@36.925,19.575 MN5.1@36.95,19.6 ; MN5.1@36.975,19.575 MN5.1@36.95,19.6 ; MN6.2@38,19.55 37.707,19.843 ccw(c37.449,19.585) 37.45,19.95 ccw(c37.451,19.585) 37.193,19.843 MN5.1@36.95,19.6
TX1_1_A_P: IC1.B8 MN2.1 MN3.1 MN5.2 | length 7.8
  Bottom w0.1: IC1.B8@32.264,20.007 32.256,20.015 32.256,20.653 cw(c32.763,20.653) 32.404,21.012 32.405,21.013 cw(c32.735,20.683) 32.735,21.15 33.531,21.15 cw(c33.531,19.595) 34.631,20.694 35.052,20.273 ccw(c35.349,20.57) 35.349,20.15 ccw(c35.349,20.515) 35.607,20.257 MN2.1@35.875,20.525 ; MN2.1@35.9,20.55 36.193,20.257 ccw(c36.451,20.515) 36.45,20.15 ccw(c36.449,20.515) 36.707,20.257 MN5.2@36.95,20.5 ; MN5.2@36.925,20.525 MN5.2@36.95,20.5 ; MN5.2@36.975,20.525 MN5.2@36.95,20.5 ; MN3.1@38,20.55 37.707,20.257 cw(c37.449,20.515) 37.45,20.15 cw(c37.451,20.515) 37.193,20.257 MN5.2@36.95,20.5
TX1_1_B_N: MN4.2 MN6.1 T1.3 | length 2.6
  Bottom w0.1: MN6.1@39,19.55 39.293,19.843 cw(c39.551,19.585) 39.55,19.95 cw(c39.549,19.585) 39.807,19.843 MN4.2@40.05,19.6 ; MN4.2@40.025,19.575 MN4.2@40.05,19.6 ; MN4.2@40.075,19.575 MN4.2@40.05,19.6 ; T1.3@40.951,19.625 cw(c41.072,19.746) 40.901,19.746 ccw(c40.697,19.746) 40.697,19.95 40.551,19.95 ccw(c40.551,19.585) 40.293,19.843 MN4.2@40.05,19.6
TX1_1_B_P: MN3.2 MN4.1 T1.4 | length 2.6
  Bottom w0.1: MN3.2@39,20.55 39.293,20.257 ccw(c39.551,20.515) 39.55,20.15 ccw(c39.549,20.515) 39.807,20.257 MN4.1@40.05,20.5 ; MN4.1@40.025,20.525 MN4.1@40.05,20.5 ; MN4.1@40.075,20.525 MN4.1@40.05,20.5 ; T1.4@40.951,20.475 ccw(c41.072,20.354) 40.901,20.354 cw(c40.697,20.354) 40.697,20.15 40.551,20.15 cw(c40.551,20.515) 40.293,20.257 MN4.1@40.05,20.5
TX1_2: IC5.5 T2.1 | length 3.4
  Top w0.18: v1(41.375,23.15) 41.375,23.071 ccw(c42.196,23.071) 42.196,22.25 cw(c42.196,21.396) 42.8,22 ccw(c43.524,22.724) 43.524,21.7 T2.1@43.675,21.7 ; T2.1@44.346,21.414 T2.1@44.415,21.345
  Bottom w0.2: v1(41.375,23.15) IC5.5@41.375,23.475
TX1_2_A_N: IC1.B10 MN9.1 MN12.2 MN14.1 | length 8
  Top w0.1: v1(31.597,20.007) 32.218,20.007 ccw(c32.218,20.402) 32.498,20.123 33.148,20.773 cw(c33.575,20.346) 33.575,20.95 33.925,20.95 cw(c33.925,20.6) 34.275,20.6 34.275,20.4 ccw(c34.8,20.4) 34.8,19.875 35.012,19.875 cw(c35.012,19.24) 35.461,19.689 MN9.1@35.675,19.475 35.968,19.768 cw(c36.226,19.51) 36.225,19.875 cw(c36.224,19.51) 36.482,19.768 36.725,19.525 MN12.2@36.7,19.5 ; MN12.2@36.7,19.5 36.968,19.768 cw(c37.226,19.51) 37.225,19.875 cw(c37.224,19.51) 37.482,19.768 MN14.1@37.775,19.475
TX1_2_A_P: IC1.A9 MN10.1 MN11.2 MN12.1 | length 7.7
  Top w0.1: v1(31.931,20.34) 32.217,20.34 ccw(c32.217,20.86) 32.584,20.492 ; 32.631,20.539 32.585,20.492 ; MN11.2@37.775,20.475 37.482,20.182 cw(c37.224,20.44) 37.225,20.075 cw(c37.226,20.44) 36.968,20.182 36.7,20.45 36.725,20.425 36.482,20.182 cw(c36.224,20.44) 36.225,20.075 cw(c36.226,20.44) 35.968,20.182 MN10.1@35.675,20.475 35.461,20.261 cw(c35.012,20.71) 35.012,20.075 34.8,20.075 cw(c34.8,20.4) 34.475,20.4 34.475,20.6 ccw(c33.925,20.6) 33.925,21.15 33.574,21.15 ccw(c33.574,20.348) 33.007,20.915 32.584,20.492
TX1_2_B_N: MN13.1 MN14.2 T2.4 | length 3.1
  Top w0.1: MN14.2@38.775,19.475 39.068,19.768 cw(c39.326,19.51) 39.326,19.875 ; 39.324,19.875 cw(c39.324,19.51) 39.582,19.768 MN13.1@39.85,19.5 ccw(c39.971,19.5) 39.885,19.415 40.112,19.188 ccw(c40.325,19.402) 40.325,19.1 cw(c40.325,17.977) 41.119,18.771 T2.4@41.235,18.655
TX1_2_B_P: MN11.1 MN13.2 T2.6 | length 3.1
  Top w0.1: MN11.1@38.775,20.475 39.068,20.182 ccw(c39.326,20.44) 39.326,20.075 ; 39.324,20.075 ccw(c39.324,20.44) 39.582,20.182 MN13.2@39.85,20.45 ; MN13.2@39.85,20.5 cw(c39.971,20.5) 39.885,20.585 40.112,20.812 cw(c40.325,20.598) 40.325,20.9 ccw(c40.325,22.023) 41.119,21.229 T2.6@41.235,21.345
TX_SW: IC15.26 R59.2 | length 62.8
  L4 w0.1: v1(2.325,10.5) 3.6,10.5 4.062,10.962 5.488,10.962 6.4,10.05 7.575,10.05 8.125,10.6 8.125,12.515 7.95,12.69 7.95,13.449 7.7,13.699 7.7,14.675 7.9,14.875 7.9,15.675 6.45,17.125 6.45,19.892 4.275,22.067 4.275,23.858 5.242,24.825 8.65,24.825 8.975,24.5 9.892,24.5 10.042,24.65 11.285,24.65 12.985,26.35 15.25,26.35 16.525,27.625 17.35,27.625 17.525,27.8 18.55,27.8 18.676,27.675 20.6,27.675 20.825,27.9 35.14,27.9 36.315,29.075 40.175,29.075 v1(40.5,28.75)
  Bottom w0.2: R59.2@40.2,27.23 40.225,27.23 40.275,27.28 40.275,27.305 40.5,27.53 v1(40.5,28.75)
  Bottom w0.3: IC15.26@1.8,10.325 2.225,10.325 2.225,10.386 2.325,10.486 v1(2.325,10.5)
TX_SW_DIV: C43.1 IC5.7 R59.1 R62.1 | length 7.6
  L6 w0.1: v1(40.6,25.975) 40.775,25.8 40.775,23.913 40.938,23.75 43.45,23.75 v2@43.55,23.65
  Bottom w0.2: R59.1@40.2,26.67 R62.1@40.2,26.13 40.225,26.13 40.351,26.004 40.571,26.004 v1(40.6,25.975) ; IC5.7@42.375,22.975 C43.1@43.02,22.975 43.034,22.989 43.189,22.989 43.55,23.35 v2(43.55,23.575)
TXA: C39.1 ESD1.1 X1.1 | length 4.3
  Top w0.18: X1.1@31.65,25.725 X1.1@31.65,25.625 ESD1.1@31.65,24.525 ccw(c32.225,24.525) 32.225,23.95 C39.1@34.425,23.95